# KiCad board keyboard.kicad_pcb (continued)
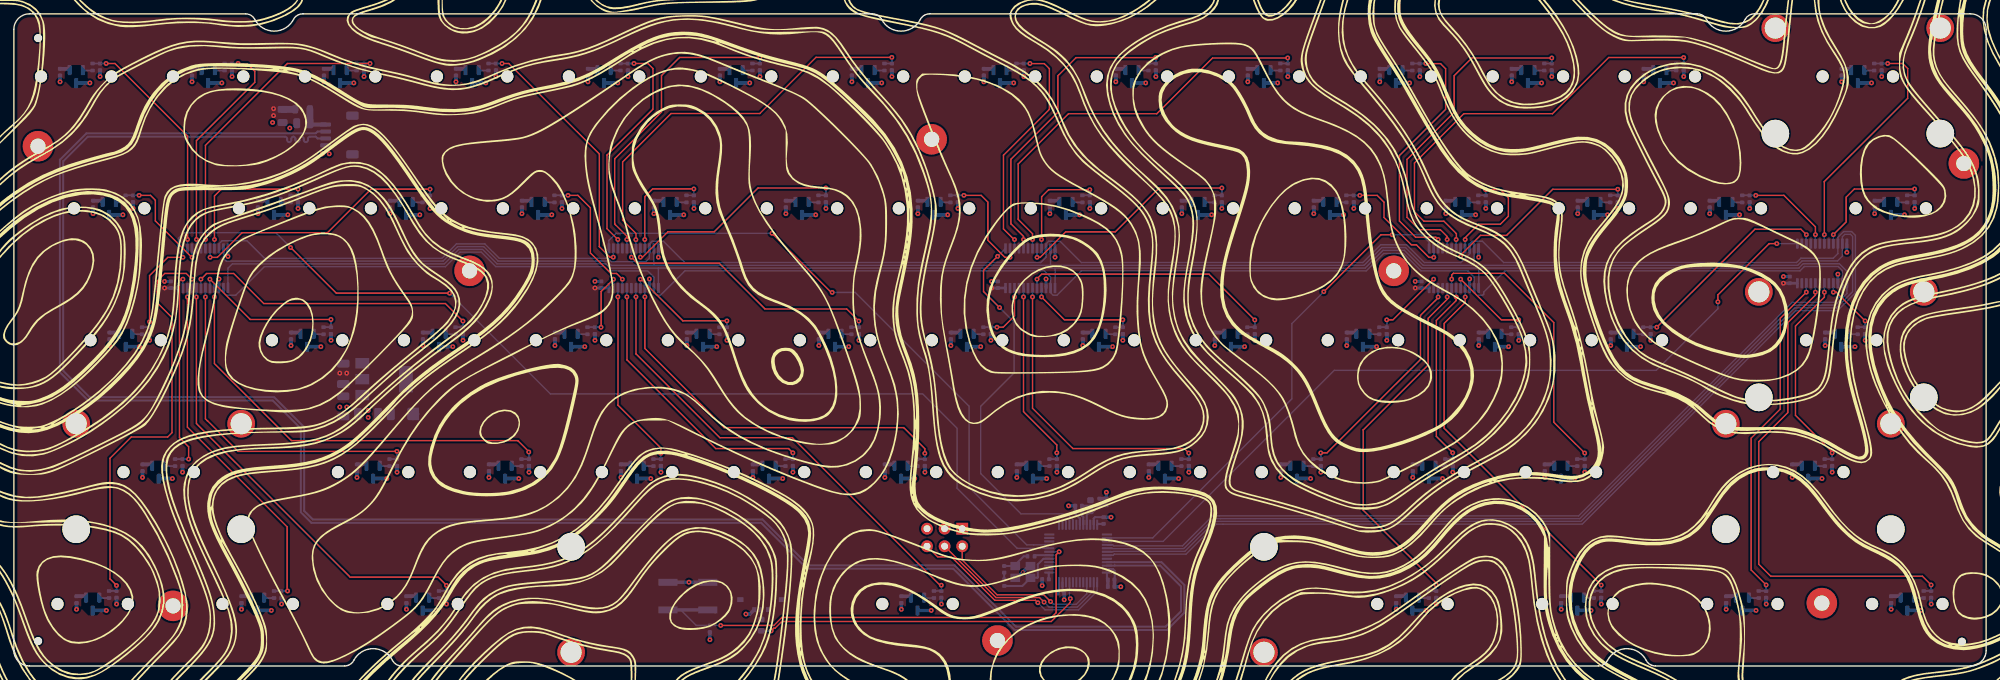
[diagram p0: board, top side]
## Footprints (pads in the part's own frame, mm; a bottom-side part is the same pattern mirrored in y, then rotated)
C_0402_1005Metric
  rrect 0.56x0.62 smd: 1(-0.48,0) 2(0.48,0)
C_0805_2012Metric
  rrect 1x1.45 smd: 1(-0.95,0) 2(0.95,0)
C_1206_3216Metric
  rrect 1.15x1.8 smd: 1(-1.475,0) 2(1.475,0)
Crystal_SMD_3225-4Pin_3.2x2.5mm
  rect 1.4x1.2 smd: 1(-1.1,-0.85) 2(1.1,-0.85) 3(1.1,0.85) 4(-1.1,0.85)
JST_SH_SM04B-SRSS-TB_1x04-1MP_P1.00mm_Horizontal
  rrect 0.6x1.55 smd: 1(-1.5,2) 2(-0.5,2) 3(0.5,2) 4(1.5,2)
  rrect 1.2x1.8 smd: MP(-2.8,-1.875) MP(2.8,-1.875)
L_0603_1608Metric
  rrect 0.875x0.95 smd: 1(-0.787,0) 2(0.787,0)
L_0805_2012Metric
  rrect 0.875x1.2 smd: 1(-1.062,0) 2(1.062,0)
LQFP-48_7x7mm_P0.5mm
  rrect 1.475x0.3 smd: 1(-4.162,2.75) 2(-4.162,2.25) 3(-4.162,1.75) 4(-4.162,1.25) 5(-4.162,0.75) 6(-4.162,0.25) 7(-4.162,-0.25) 8(-4.162,-0.75) 9(-4.162,-1.25) 10(-4.162,-1.75) 11(-4.162,-2.25) 12(-4.162,-2.75) 25(4.162,-2.75) 26(4.162,-2.25) 27(4.162,-1.75) 28(4.162,-1.25) 29(4.162,-0.75) 30(4.162,-0.25) 31(4.162,0.25) 32(4.162,0.75) 33(4.162,1.25) 34(4.162,1.75) 35(4.162,2.25) 36(4.162,2.75)
  rrect 0.3x1.475 smd: 13(-2.75,-4.162) 14(-2.25,-4.162) 15(-1.75,-4.162) 16(-1.25,-4.162) 17(-0.75,-4.162) 18(-0.25,-4.162) 19(0.25,-4.162) 20(0.75,-4.162) 21(1.25,-4.162) 22(1.75,-4.162) 23(2.25,-4.162) 24(2.75,-4.162) 37(2.75,4.162) 38(2.25,4.162) 39(1.75,4.162) 40(1.25,4.162) 41(0.75,4.162) 42(0.25,4.162) 43(-0.25,4.162) 44(-0.75,4.162) 45(-1.25,4.162) 46(-1.75,4.162) 47(-2.25,4.162) 48(-2.75,4.162)
MountingHole_2.2mm_M2_Pad
  round 4.4 hole 2.2: 1(0,0)
NetTie-2_SMD_Pad0.5mm
  round 0.2 smd: 1(-0.5,0) 2(0.5,0)
PinSocket_2x03_P2.54mm_Vertical
  rect 1.7x1.7 hole 1: 1(0,0)
  oval 1.7x1.7 hole 1: 2(-2.54,0) 3(0,-2.54) 4(-2.54,-2.54) 5(0,-5.08) 6(-2.54,-5.08)
R_0402_1005Metric
  rrect 0.54x0.64 smd: 1(-0.51,0) 2(0.51,0)
R_0603_1608Metric
  rrect 0.8x0.95 smd: 1(-0.825,0) 2(0.825,0)
R_1206_3216Metric
  rrect 1.125x1.75 smd: 1(-1.462,0) 2(1.462,0)
SLSS49E-3 with MX holes 3
  round 1.75 hole 1.75 unplated: (-5.08,0) (5.08,0)
  rrect 0.6x1.475 smd: 1(0.95,0.917) 2(-0.95,0.917) 3(0,-0.958)
SOT-223-3_TabPin2
  rect 2x1.5 smd: 1(-3.15,2.3) 2(-3.15,0) 3(-3.15,-2.3)
  rect 2x3.8 smd: 2(3.15,0)
SSAJ120100
  rect 0.6x0.7 smd: 1(-1,1.3) 2(1,1.3) C(0,1.3)
  rect 0.9x0.7 smd: NC(-3,-0.15) NC1(3,-0.15)
STAB_MX_P_2.25u
  round 4 hole 3.048: (-11.906,6.985) (11.906,6.985)
  round 3.988 hole 3.988 unplated: (-11.906,-8.255) (11.906,-8.255)
STAB_MX_P_2.75u
  round 4 hole 3.048: (-11.906,6.985) (11.906,6.985)
  round 3.988 hole 3.988 unplated: (-11.906,-8.255) (11.906,-8.255)
STAB_MX_P_2u
  round 4 hole 3.048: (-11.906,6.985) (11.906,6.985)
  round 3.988 hole 3.988 unplated: (-11.906,-8.255) (11.906,-8.255)
STAB_MX_P_6.25u
  round 4 hole 3.048: (-50.006,6.985) (50.006,6.985)
  round 3.988 hole 3.988 unplated: (-50.006,-8.255) (50.006,-8.255)
SW_SPST_B3SL-1002P
  rect 2.75x1 smd: 1(-2.875,2) 1(2.875,2) 2(-2.875,-2) 2(2.875,-2)
ToolingHole
  round 1.152 hole 1.152 unplated: (0.028,0.59)
TSSOP-24_4.4x7.8mm_P0.65mm
  rrect 1.475x0.4 smd: 1(-2.862,3.575) 2(-2.862,2.925) 3(-2.862,2.275) 4(-2.862,1.625) 5(-2.862,0.975) 6(-2.862,0.325) 7(-2.862,-0.325) 8(-2.862,-0.975) 9(-2.862,-1.625) 10(-2.862,-2.275) 11(-2.862,-2.925) 12(-2.862,-3.575) 13(2.862,-3.575) 14(2.862,-2.925) 15(2.862,-2.275) 16(2.862,-1.625) 17(2.862,-0.975) 18(2.862,-0.325) 19(2.862,0.325) 20(2.862,0.975) 21(2.862,1.625) 22(2.862,2.275) 23(2.862,2.925) 24(2.862,3.575)

## Nets
+3.3VA: C4.1 C5.1 C6.1 C7.1 FB1.1 U1.20 U1.21
+3V3: C1.1 C3.1 C8.1 C9.1 C11.1 C18.1 C24.1 C26.1 C28.1 C30.1 C32.1 C34.1 C36.1 C38.1 C40.1 C42.1 C44.1 C46.1 C48.1 C50.1 C52.1 C54.1 C56.1 C58.1 C60.1 C62.1 C64.1 C66.1 C68.1 C70.1 C72.1 C74.1 C76.1 C78.1 C80.1 C82.1 C84.1 C86.1 C88.1 C90.1 C92.1 C94.1 C96.1 C98.1 C100.1 C102.1 C104.1 C106.1 C108.1 C110.1 C112.1 C114.1 C116.1 C118.1 C120.1 C122.1 C124.1 C126.1 C128.1 C130.1 C132.1 C134.1 C136.1 C138.1 C140.1 C143.1 FB1.2 HALL1.1 HALL2.1 HALL3.1 HALL4.1 HALL5.1 HALL6.1 HALL7.1 HALL8.1 HALL9.1 HALL10.1 HALL11.1 HALL12.1 HALL13.1 HALL14.1 HALL15.1 HALL16.1 HALL17.1 HALL18.1 HALL19.1 HALL20.1 HALL21.1 HALL22.1 HALL23.1 HALL24.1 HALL25.1 HALL26.1 HALL27.1 HALL28.1 HALL29.1 HALL30.1 HALL31.1 HALL32.1 HALL33.1 HALL34.1 HALL35.1 HALL36.1 HALL37.1 HALL38.1 HALL39.1 HALL40.1 HALL41.1 HALL42.1 HALL43.1 HALL44.1 HALL45.1 HALL46.1 HALL47.1 HALL48.1 HALL49.1 HALL50.1 HALL51.1 HALL52.1 HALL53.1 HALL54.1 HALL55.1 HALL56.1 HALL57.1 HALL58.1 HALL59.1 HALL60.1 HALL61.1 NT1.2 SWD1.5 U1.1 U1.24 U1.36 U1.48 U3.2
+5V: C10.1 C12.1 C15.1 C20.1 C21.1 C22.1 C142.1 FB2.2 U2.3 U4.24 U5.24 U6.24 U7.24 U8.24
GND: C1.2 C2.2 C3.2 C4.2 C5.2 C6.2 C7.2 C8.2 C9.2 C10.2 C11.2 C12.2 C17.1 C18.2 C19.2 C20.2 C21.2 C22.2 C23.2 C24.2 C25.2 C26.2 C27.2 C28.2 C29.2 C30.2 C31.2 C32.2 C33.2 C34.2 C35.2 C36.2 C37.2 C38.2 C39.2 C40.2 C41.2 C42.2 C43.2 C44.2 C45.2 C46.2 C47.2 C48.2 C49.2 C50.2 C51.2 C52.2 C53.2 C54.2 C55.2 C56.2 C57.2 C58.2 C59.2 C60.2 C61.2 C62.2 C63.2 C64.2 C65.2 C66.2 C67.2 C68.2 C69.2 C70.2 C71.2 C72.2 C73.2 C74.2 C75.2 C76.2 C77.2 C78.2 C79.2 C80.2 C81.2 C82.2 C83.2 C84.2 C85.2 C86.2 C87.2 C88.2 C89.2 C90.2 C91.2 C92.2 C93.2 C94.2 C95.2 C96.2 C97.2 C98.2 C99.2 C100.2 C101.2 C102.2 C103.2 C104.2 C105.2 C106.2 C107.2 C108.2 C109.2 C110.2 C111.2 C112.2 C113.2 C114.2 C115.2 C116.2 C117.2 C118.2 C119.2 C120.2 C121.2 C122.2 C123.2 C124.2 C125.2 C126.2 C127.2 C128.2 C129.2 C130.2 C131.2 C132.2 C133.2 C134.2 C135.2 C136.2 C137.2 C138.2 C139.2 C140.2 C141.2 C142.2 C143.2 HALL1.3 HALL2.3 HALL3.3 HALL4.3 HALL5.3 HALL6.3 HALL7.3 HALL8.3 HALL9.3 HALL10.3 HALL11.3 HALL12.3 HALL13.3 HALL14.3 HALL15.3 HALL16.3 HALL17.3 HALL18.3 HALL19.3 HALL20.3 HALL21.3 HALL22.3 HALL23.3 HALL24.3 HALL25.3 HALL26.3 HALL27.3 HALL28.3 HALL29.3 HALL30.3 HALL31.3 HALL32.3 HALL33.3 HALL34.3 HALL35.3 HALL36.3 HALL37.3 HALL38.3 HALL39.3 HALL40.3 HALL41.3 HALL42.3 HALL43.3 HALL44.3 HALL45.3 HALL46.3 HALL47.3 HALL48.3 HALL49.3 HALL50.3 HALL51.3 HALL52.3 HALL53.3 HALL54.3 HALL55.3 HALL56.3 HALL57.3 HALL58.3 HALL59.3 HALL60.3 HALL61.3 J1.4 R64.2 R65.2 SW1.2 SWD1.1 SWD1.3 U1.19 U1.23 U1.35 U1.47 U2.1 U3.1 U4.12 U4.15 U5.12 U5.15 U6.12 U6.15 U7.12 U7.15 U8.12 U8.15 Y1.2 Y1.4
VBUS: C23.1 FB2.1 J1.1
/in_esr: C15.2 R64.1
/ldo_output: C16.1 NT1.1 U2.2
/Multiplexers/keys/KEYS_0_0: C2.1 R1.1 U4.3
/Multiplexers/keys/KEYS_0_1: C19.1 R4.1 U4.5
/Multiplexers/keys/KEYS_0_2: C25.1 R5.1 U4.7
/Multiplexers/keys/KEYS_0_3: C27.1 R6.1 U5.2
/Multiplexers/keys/KEYS_0_4: C29.1 R7.1 U5.3
/Multiplexers/keys/KEYS_0_5: C31.1 R8.1 U5.5
/Multiplexers/keys/KEYS_0_6: C33.1 R9.1 U5.7
/Multiplexers/keys/KEYS_0_7: C35.1 R10.1 U6.3
/Multiplexers/keys/KEYS_0_8: C37.1 R11.1 U6.5
/Multiplexers/keys/KEYS_0_9: C39.1 R12.1 U6.7
/Multiplexers/keys/KEYS_0_10: C41.1 R13.1 U7.3
/Multiplexers/keys/KEYS_0_11: C43.1 R14.1 U7.5
/Multiplexers/keys/KEYS_0_12: C45.1 R15.1 U7.7
/Multiplexers/keys/KEYS_0_13: C47.1 R16.1 U8.7
/Multiplexers/keys/KEYS_1_0: C49.1 R17.1 U4.4
/Multiplexers/keys/KEYS_1_1: C51.1 R18.1 U4.9
/Multiplexers/keys/KEYS_1_2: C53.1 R19.1 U4.8
/Multiplexers/keys/KEYS_1_3: C55.1 R20.1 U5.21
/Multiplexers/keys/KEYS_1_4: C57.1 R21.1 U5.9
/Multiplexers/keys/KEYS_1_5: C59.1 R22.1 U5.8
/Multiplexers/keys/KEYS_1_6: C61.1 R23.1 U6.2
/Multiplexers/keys/KEYS_1_7: C63.1 R24.1 U6.9
/Multiplexers/keys/KEYS_1_8: C65.1 R25.1 U6.8
/Multiplexers/keys/KEYS_1_9: C67.1 R26.1 U7.2
/Multiplexers/keys/KEYS_1_10: C69.1 R27.1 U7.9
/Multiplexers/keys/KEYS_1_11: C71.1 R28.1 U7.8
/Multiplexers/keys/KEYS_1_12: C73.1 R29.1 U8.5
/Multiplexers/keys/KEYS_1_13: C75.1 R30.1 U8.9
/Multiplexers/keys/KEYS_2_0: C77.1 R31.1 U4.2
/Multiplexers/keys/KEYS_2_1: C79.1 R32.1 U4.17
/Multiplexers/keys/KEYS_2_2: C81.1 R33.1 U4.19
/Multiplexers/keys/KEYS_2_3: C83.1 R34.1 U5.23
/Multiplexers/keys/KEYS_2_4: C85.1 R35.1 U5.17
/Multiplexers/keys/KEYS_2_5: C87.1 R36.1 U5.6
/Multiplexers/keys/KEYS_2_6: C89.1 R37.1 U6.22
/Multiplexers/keys/KEYS_2_7: C91.1 R38.1 U6.16
/Multiplexers/keys/KEYS_2_8: C93.1 R39.1 U6.17
/Multiplexers/keys/KEYS_2_9: C95.1 R40.1 U7.23
/Multiplexers/keys/KEYS_2_10: C97.1 R41.1 U7.17
/Multiplexers/keys/KEYS_2_11: C99.1 R42.1 U8.3
/Multiplexers/keys/KEYS_2_12: C101.1 R43.1 U8.16
/Multiplexers/keys/KEYS_3_0: C103.1 R44.1 U4.23
/Multiplexers/keys/KEYS_3_1: C105.1 R45.1 U4.18
/Multiplexers/keys/KEYS_3_2: C107.1 R46.1 U4.16
/Multiplexers/keys/KEYS_3_3: C109.1 R47.1 U5.22
/Multiplexers/keys/KEYS_3_4: C111.1 R48.1 U5.20
/Multiplexers/keys/KEYS_3_5: C113.1 R49.1 U5.16
/Multiplexers/keys/KEYS_3_6: C115.1 R50.1 U6.20
/Multiplexers/keys/KEYS_3_7: C117.1 R51.1 U6.18
/Multiplexers/keys/KEYS_3_8: C119.1 R52.1 U7.22
/Multiplexers/keys/KEYS_3_9: C121.1 R53.1 U7.18
/Multiplexers/keys/KEYS_3_10: C123.1 R54.1 U7.19
/Multiplexers/keys/KEYS_3_11: C125.1 R55.1 U8.18
/Multiplexers/keys/KEYS_4_0: C127.1 R56.1 U4.21
/Multiplexers/keys/KEYS_4_1: C129.1 R57.1 U4.22
/Multiplexers/keys/KEYS_4_2: C131.1 R58.1 U4.20
/Multiplexers/keys/KEYS_4_3: C133.1 R59.1 U5.18
/Multiplexers/keys/KEYS_4_4: C135.1 R60.1 U7.20
/Multiplexers/keys/KEYS_4_5: C137.1 R61.1 U7.16
/Multiplexers/keys/KEYS_4_6: C139.1 R62.1 U8.22
/Multiplexers/keys/KEYS_4_7: C141.1 R63.1 U8.20
/out_esr: C16.2 R65.1
/S0: U1.31 U4.10 U5.10 U6.10 U7.10 U8.10
/S1: U1.30 U4.11 U5.11 U6.11 U7.11 U8.11
/S2: U1.28 U4.14 U5.14 U6.14 U7.14 U8.14
/S3: U1.29 U4.13 U5.13 U6.13 U7.13 U8.13
ADC3_IN1: U1.17 U6.1
ADC3_IN5: U1.27 U8.1
ADC4_IN3: U1.26 U7.1
ADC12_IN1: U1.8 U4.1
ADC12_IN2: U1.9 U5.1
BOOT0: R3.2 U1.45
HSE_IN: C13.1 U1.5 Y1.1
HSE_OUT: R2.1 U1.6
NRST: C17.2 SW1.1 U1.7
SWCLK: SWD1.4 U1.38
SWDIO: SWD1.6 U1.37
SWO: SWD1.2 U1.40
USB_D+: J1.3 U1.34
USB_D-: J1.2 U1.33
Net-(C13-Pad2): C13.2 C14.2
Net-(C14-Pad1): C14.1 R2.2 Y1.3
Net-(HALL1-OUT): HALL1.2 R1.2
Net-(HALL2-OUT): HALL2.2 R4.2
Net-(HALL3-OUT): HALL3.2 R5.2
Net-(HALL4-OUT): HALL4.2 R6.2
Net-(HALL5-OUT): HALL5.2 R7.2
Net-(HALL6-OUT): HALL6.2 R8.2
Net-(HALL7-OUT): HALL7.2 R9.2
Net-(HALL8-OUT): HALL8.2 R10.2
Net-(HALL9-OUT): HALL9.2 R11.2
Net-(HALL10-OUT): HALL10.2 R12.2
Net-(HALL11-OUT): HALL11.2 R13.2
Net-(HALL12-OUT): HALL12.2 R14.2
Net-(HALL13-OUT): HALL13.2 R15.2
Net-(HALL14-OUT): HALL14.2 R16.2
Net-(HALL15-OUT): HALL15.2 R17.2
Net-(HALL16-OUT): HALL16.2 R18.2
Net-(HALL17-OUT): HALL17.2 R19.2
Net-(HALL18-OUT): HALL18.2 R20.2
Net-(HALL19-OUT): HALL19.2 R21.2
Net-(HALL20-OUT): HALL20.2 R22.2
Net-(HALL21-OUT): HALL21.2 R23.2
Net-(HALL22-OUT): HALL22.2 R24.2
Net-(HALL23-OUT): HALL23.2 R25.2
Net-(HALL24-OUT): HALL24.2 R26.2
Net-(HALL25-OUT): HALL25.2 R27.2
Net-(HALL26-OUT): HALL26.2 R28.2
Net-(HALL27-OUT): HALL27.2 R29.2
Net-(HALL28-OUT): HALL28.2 R30.2
Net-(HALL29-OUT): HALL29.2 R31.2
Net-(HALL30-OUT): HALL30.2 R32.2
Net-(HALL31-OUT): HALL31.2 R33.2
Net-(HALL32-OUT): HALL32.2 R34.2
Net-(HALL33-OUT): HALL33.2 R35.2
Net-(HALL34-OUT): HALL34.2 R36.2
Net-(HALL35-OUT): HALL35.2 R37.2
Net-(HALL36-OUT): HALL36.2 R38.2
Net-(HALL37-OUT): HALL37.2 R39.2
Net-(HALL38-OUT): HALL38.2 R40.2
Net-(HALL39-OUT): HALL39.2 R41.2
Net-(HALL40-OUT): HALL40.2 R42.2
Net-(HALL41-OUT): HALL41.2 R43.2
Net-(HALL42-OUT): HALL42.2 R44.2
Net-(HALL43-OUT): HALL43.2 R45.2
Net-(HALL44-OUT): HALL44.2 R46.2
Net-(HALL45-OUT): HALL45.2 R47.2
Net-(HALL46-OUT): HALL46.2 R48.2
Net-(HALL47-OUT): HALL47.2 R49.2
Net-(HALL48-OUT): HALL48.2 R50.2
Net-(HALL49-OUT): HALL49.2 R51.2
Net-(HALL50-OUT): HALL50.2 R52.2
Net-(HALL51-OUT): HALL51.2 R53.2
Net-(HALL52-OUT): HALL52.2 R54.2
Net-(HALL53-OUT): HALL53.2 R55.2
Net-(HALL54-OUT): HALL54.2 R56.2
Net-(HALL55-OUT): HALL55.2 R57.2
Net-(HALL56-OUT): HALL56.2 R58.2
Net-(HALL57-OUT): HALL57.2 R59.2
Net-(HALL58-OUT): HALL58.2 R60.2
Net-(HALL59-OUT): HALL59.2 R61.2
Net-(HALL60-OUT): HALL60.2 R62.2
Net-(HALL61-OUT): HALL61.2 R63.2
Net-(R3-Pad1): R3.1 U3.C

Pads without a net: H1 1; H2 1; H3 1; H4 1; H5 1; H6 1; H7 1; H8 1; J1 MP; U1 2 3 4 10 11 12 13 14 15 16 18 22 25 32 39 41 42 43 44 46; U3 NC NC1; U4 6; U5 4 19; U6 4 6 19 21 23; U7 4 6 21; U8 2 4 6 8 17 19 21 23

## Via types
v1: diameter 0.7, hole 0.3, Top to Bottom, 363 vias
v2: diameter 0.5, hole 0.3, Top to Bottom, 1 via

## Routing (per net, layer and track width the routed paths; a pad name or vN(x,y) marks a point on that pad's centre or on a via; arc(x,y) is an arc through that point)
+3.3VA: length 10.2
  Bottom w0.2: 154.19,23.14 C7.1 ; C5.1 156.64,23.14
  Bottom w0.3: U1.21 154.87,21.83 FB1.1 155.86,22.36 C5.1 ; U1.20 154.37,21.52 154.18,21.71 C6.1 ; 154.19,23.14 154.2,23.15 156.63,23.15 156.64,23.14
  Bottom w0.5: C5.1 C4.1 ; C7.1 C6.1
+3V3: length 167
  Bottom w0.2: 103.13,86.26 103.3,86.09 ; 269.82,67.21 269.99,67.04 ; 12.64,67.21 12.81,67.04 ; 34.07,10.06 34.24,9.89 ; 226.95,67.21 227.12,67.04 ; 150.75,67.21 150.92,67.04 ; 84.08,86.26 84.25,86.09 ; 136.47,48.16 136.64,47.99 ; 222.19,29.11 222.36,28.94 ; 7.88,86.26 8.05,86.09 ; 55.5,67.21 55.67,67.04 ; 198.38,86.26 198.55,86.09 ; 131.7,67.21 131.87,67.04 ; 41.22,48.16 41.39,47.99 ; 248.39,10.06 248.56,9.89 ; 212.67,48.16 212.84,47.99 ; 262.67,48.16 262.84,47.99 ; 179.33,86.26 179.5,86.09 ; 207.9,67.21 208.07,67.04 ; 203.14,29.11 203.31,28.94 ; 257.91,29.11 258.08,28.94 ; 10.26,10.06 10.43,9.89 ; 60.27,48.16 60.44,47.99 ; 45.98,86.26 46.15,86.09 ; 93.6,67.21 93.77,67.04 ; 145.99,29.11 146.16,28.94 ; 79.32,48.16 79.49,47.99 ; 26.93,86.26 27.1,86.09 ; 217.43,86.26 217.6,86.09 ; 160.28,86.26 160.45,86.09 ; 36.45,67.21 36.62,67.04 ; 19.79,29.11 19.96,28.94 ; 155.52,48.16 155.69,47.99 ; 98.37,48.16 98.54,47.99 ; 15.02,48.16 15.19,47.99 ; 246,67.21 246.17,67.04 ; 50.74,29.11 50.91,28.94 ; 265.05,86.26 265.22,86.09 ; 169.8,67.21 169.97,67.04 ; 112.65,67.21 112.82,67.04 ; 141.23,86.26 141.4,86.09 ; 69.79,29.11 69.96,28.94 ; 224.57,10.06 224.74,9.89 ; 236.48,86.26 236.65,86.09 ; 193.62,48.16 193.79,47.99 ; 57.89,10.06 58.06,9.89 ; 200.76,10.06 200.93,9.89 ; 188.85,67.21 189.02,67.04 ; 74.55,67.21 74.72,67.04 ; 88.84,29.11 89.01,28.94 ; 122.18,86.26 122.35,86.09 ; 107.89,29.11 108.06,28.94 ; 165.04,29.11 165.21,28.94 ; 117.42,48.16 117.59,47.99 ; 272.2,10.06 272.37,9.89 ; 231.72,48.16 231.89,47.99 ; 174.57,48.16 174.74,47.99 ; 65.03,86.26 65.2,86.09 ; 184.09,29.11 184.26,28.94
  Bottom w0.3: U1.1 149.39,13.43 149.39,12.49 ; C9.1 157.79,12.6 U1.36 ; C11.1 156.49,20.52 U1.24 ; C8.1 150.87,10.7 U1.48
  Bottom w0.5: 92.39,67.21 93.6,67.21 92.39,67.21 ; 163.83,29.11 165.04,29.11 163.83,29.11 ; 201.93,29.11 203.14,29.11 201.93,29.11 ; 206.69,67.21 207.9,67.21 206.69,67.21 ; 87.63,29.11 88.84,29.11 87.63,29.11 ; 168.59,67.21 169.8,67.21 168.59,67.21 ; 125.73,29.11 126.94,29.11 ; 262.67,48.16 261.46,48.16 262.67,48.16 ; 128.11,10.06 129.32,10.06 ; C9.1 C3.1 ; 224.57,10.06 223.36,10.06 224.57,10.06 ; 130.49,67.21 131.7,67.21 130.49,67.21 ; 244.79,67.21 246,67.21 244.79,67.21 ; 270.99,10.06 272.2,10.06 270.99,10.06 ; C112.1 126.92,29.12 HALL47.1 ; 225.74,67.21 226.95,67.21 225.74,67.21 ; 11.43,67.21 12.64,67.21 11.43,67.21 ; 73.34,67.21 74.55,67.21 73.34,67.21 ; 178.12,86.26 179.33,86.26 178.12,86.26 ; 32.86,10.06 34.07,10.06 32.86,10.06 ; 25.72,86.26 26.93,86.26 25.72,86.26 ; 256.7,29.11 257.91,29.11 256.7,29.11 ; 78.1,48.16 79.32,48.16 78.1,48.16 ; 199.55,10.06 200.76,10.06 199.55,10.06 ; 120.97,86.26 122.18,86.26 120.97,86.26 ; 211.45,48.16 212.67,48.16 211.45,48.16 ; 173.35,48.16 174.57,48.16 173.35,48.16 ; 187.64,67.21 188.85,67.21 187.64,67.21 ; 18.57,29.11 19.79,29.11 18.57,29.11 ; 182.88,29.11 184.09,29.11 182.88,29.11 ; 106.68,29.11 107.89,29.11 106.68,29.11 ; 140.02,86.26 141.23,86.26 140.02,86.26 ; 268.6,67.21 269.82,67.21 268.6,67.21 ; 144.78,29.11 145.99,29.11 144.78,29.11 ; 216.22,86.26 217.43,86.26 216.22,86.26 ; 116.2,48.16 117.42,48.16 116.2,48.16 ; 97.15,48.16 98.37,48.16 97.15,48.16 ; 197.17,86.26 198.38,86.26 197.17,86.26 ; 63.82,86.26 65.03,86.26 63.82,86.26 ; 68.58,29.11 69.79,29.11 68.58,29.11 ; 247.17,10.06 248.39,10.06 247.17,10.06 ; 54.29,67.21 55.5,67.21 54.29,67.21 ; 9.05,10.06 10.26,10.06 9.05,10.06 ; 263.84,86.26 265.05,86.26 263.84,86.26 ; 6.67,86.26 7.88,86.26 6.67,86.26 ; 149.54,67.21 150.75,67.21 149.54,67.21 ; 135.25,48.16 136.47,48.16 135.25,48.16 ; 40,48.16 41.22,48.16 40,48.16 ; 101.92,86.26 103.13,86.26 101.92,86.26 ; 82.87,86.26 84.08,86.26 82.87,86.26 ; 56.67,10.06 57.89,10.06 56.67,10.06 ; 35.24,67.21 36.45,67.21 35.24,67.21 ; 230.5,48.16 231.72,48.16 230.5,48.16 ; 235.27,86.26 236.48,86.26 235.27,86.26 ; 159.07,86.26 160.28,86.26 159.07,86.26 ; 49.53,29.11 50.74,29.11 49.53,29.11 ; 192.4,48.16 193.62,48.16 192.4,48.16 ; 59.05,48.16 60.27,48.16 59.05,48.16 ; 13.81,48.16 15.02,48.16 13.81,48.16 ; 111.44,67.21 112.65,67.21 111.44,67.21 ; 154.3,48.16 155.52,48.16 154.3,48.16 ; 44.77,86.26 45.98,86.26 44.77,86.26 ; 220.98,29.11 222.19,29.11 220.98,29.11
+5V: length 11.9
  Bottom w0.2: 23.76,54.59 U4.24 ; U7.24 204.29,54.59 U7.24
  Bottom w0.4: U8.24 257.44,55.28 C21.1 255.45,55.28 v1(255.44,55.29) ; v1(21.75,54.6) 21.76,54.59 C12.1 23.75,54.59 U4.24 ; 204.29,54.59 U7.24 204.29,54.59 C22.1 202.3,54.59 v1(202.29,54.6) ; v1(141.14,54.6) 141.15,54.59 C20.1 143.14,54.59 U6.24 ; v1(83.88,54.6) 83.89,54.59 C10.1 85.88,54.59 U5.24
  Bottom w1: FB2.2 C142.1
  vias: v1(37.49,80.5) v1(37.49,79.5) v1(47.05,42.3) v1(48.05,42.3)
GND: length 532.8
  Bottom w0.2: 159.07,85.08 159.07,84.85 159.06,84.84 ; 223.35,8.64 223.36,8.65 C136.2 ; 111.43,65.79 111.44,65.8 111.44,66.03 ; v1(241.05,85.14) 241.04,85.15 ; 93.04,60.16 U5.12 ; 93.04,60.16 93.04,60.15 ; 93.04,60.16 93.04,60 ; v1(19.59,47.04) 19.58,47.05 ; 59.04,46.74 59.05,46.75 C80.2 ; 264.59,60.69 264.59,60.38 264.59,60.37 ; 264.59,60.69 264.59,60.69 ; 264.59,60.69 264.59,60.85 ; 91.74,54.92 91.74,54.92 91.74,54.75 ; 163.82,27.69 163.83,27.7 163.83,27.93 ; 101.91,84.84 101.92,84.85 101.92,85.08 ; 210.14,54.92 210.14,54.75 ; 210.14,54.92 210.15,54.92 ; 210.14,54.92 210.14,55.24 210.15,55.25 ; 210.14,54.75 210.15,54.75 ; 210.14,54.75 U7.15 ; 197.16,84.84 197.17,84.85 197.17,85.08 ; 130.48,65.79 130.49,65.8 130.49,66.03 ; 149.54,66.03 149.54,65.8 149.53,65.79 ; v1(62.45,8.94) 62.44,8.95 ; 168.58,65.79 168.59,65.8 168.59,66.03 ; 18.56,27.69 18.57,27.7 C102.2 ; C50.2 35.24,65.8 35.23,65.79 ; 87.62,27.69 87.63,27.7 87.63,27.93 ; 225.74,66.03 225.74,65.8 225.73,65.79 ; 148.99,54.92 148.99,55.24 149,55.25 ; 148.99,54.92 148.99,54.75 ; 148.99,54.92 149,54.92 ; v1(179.13,47.04) 179.12,47.05 ; 229.14,8.94 229.13,8.95 ; 220.97,27.69 220.98,27.7 220.98,27.93 ; v1(202.95,85.14) 202.94,85.15 ; v1(174.37,66.09) 174.36,66.1 ; 173.34,46.74 173.35,46.75 173.35,46.98 ; 274.37,66.1 v1(274.38,66.09) ; 97.14,46.74 97.15,46.75 97.15,46.98 ; 116.19,46.74 116.2,46.75 116.2,46.98 ; C130.2 56.67,8.65 56.66,8.64 ; 91.74,54.75 91.74,54.75 ; 91.74,54.75 U5.15 ; v1(141.03,47.04) 141.02,47.05 ; C48.2 11.43,65.8 11.42,65.79 ; C104.2 49.53,27.7 49.52,27.69 ; 268.59,65.79 268.6,65.8 268.6,66.03 ; 201.92,27.69 201.93,27.7 201.93,27.93 ; 270.98,8.64 270.99,8.65 C140.2 ; v1(12.45,85.14) 12.44,85.15 ; 216.21,84.84 216.22,84.85 216.22,85.08 ; 29.61,54.59 U4.15 ; 30.9,60.31 U4.12 ; v1(250.57,66.09) 250.56,66.1 ; C1.2 6.67,84.85 6.66,84.84 ; 235.27,85.08 235.27,84.85 235.26,84.84 ; 78.09,46.74 78.1,46.75 78.1,46.98 ; 149,54.75 148.99,54.75 U6.15 ; v1(88.65,85.14) 88.64,85.15 ; v1(169.61,27.99) 169.6,28 ; 150.29,60 150.29,60.16 ; 150.29,60 150.29,59.68 150.29,59.68 ; 150.29,60 150.29,60 ; 182.88,27.93 182.88,27.7 182.87,27.69 ; v1(93.41,27.99) 93.4,28 ; v1(188.66,27.99) 188.65,28 ; v1(79.12,66.09) 79.11,66.1 ; v1(236.28,47.04) 236.27,47.05 ; v1(150.56,27.99) 150.55,28 ; v1(262.48,27.99) 262.47,28 ; 267.24,47.04 267.23,47.05 ; 63.81,84.84 63.82,84.85 C26.2 ; 93.04,59.68 93.04,59.68 93.04,60 ; 263.84,85.08 263.84,84.85 263.83,84.84 ; 91.74,55.25 91.74,55.24 91.74,54.92 ; 135.25,46.98 135.25,46.75 135.24,46.74 ; 244.78,65.79 244.79,65.8 244.79,66.03 ; v1(117.22,66.09) 117.21,66.1 ; 73.33,65.79 73.34,65.8 C54.2 ; 68.57,27.69 68.58,27.7 C106.2 ; 82.87,85.08 82.87,84.85 82.86,84.84 ; 44.76,84.84 44.77,84.85 C24.2 ; v1(45.79,47.04) 45.77,47.05 ; v1(50.55,85.14) 50.54,85.15 ; v1(212.47,66.09) 212.46,66.1 ; 263.29,55.61 263.29,55.94 263.3,55.94 ; 263.29,55.61 263.3,55.61 ; 263.29,55.61 263.29,55.45 ; 178.12,85.08 178.12,84.85 178.11,84.84 ; 206.68,65.79 206.69,65.8 206.69,66.03 ; C18.2 25.72,84.85 25.71,84.84 ; 187.64,66.03 187.64,65.8 187.63,65.79 ; 54.28,65.79 54.29,65.8 C52.2 ; v1(145.8,85.14) 145.79,85.15 ; 154.3,46.98 154.3,46.75 154.29,46.74 ; C100.2 261.46,46.75 261.45,46.74 ; v1(24.35,27.99) 24.34,28 ; 125.73,27.93 125.73,27.7 125.72,27.69 ; 140.01,84.84 140.02,84.85 140.02,85.08 ; U7.12 211.44,60.15 211.44,60 211.44,59.68 211.44,59.68 ; 256.69,27.69 256.7,27.7 256.7,27.93 ; v1(31.5,85.14) 31.49,85.15 ; v1(269.62,85.14) 269.61,85.15 ; v1(121.98,47.04) 121.97,47.05 ; v1(183.9,85.14) 183.89,85.15 ; v1(102.93,47.04) 102.92,47.05 ; v1(74.36,27.99) 74.35,28 ; v1(155.32,66.09) 155.31,66.1 ; v1(205.33,8.94) 205.32,8.95 ; v1(60.07,66.09) 60.06,66.1 ; v1(83.88,47.04) 83.87,47.05 ; C76.2 13.81,46.75 13.8,46.74 ; v1(17.21,66.09) 17.2,66.1 ; v1(38.64,8.94) 38.63,8.95 ; v1(276.77,8.94) 276.75,8.95 ; 192.4,46.98 192.4,46.75 192.39,46.74 ; 211.45,46.98 211.45,46.75 211.44,46.74 ; 93.04,60 93.04,60 ; 106.68,27.93 106.68,27.7 106.67,27.69 ; 92.38,65.79 92.39,65.8 92.39,66.03 ; v1(69.6,85.14) 69.59,85.15 ; v1(164.85,85.14) 164.84,85.15 ; 263.3,55.45 263.29,55.45 U8.15 ; C128.2 32.86,8.65 32.85,8.64 ; v1(193.42,66.09) 193.41,66.1 ; v1(226.76,27.99) 226.75,28 ; 120.96,84.84 120.97,84.85 120.97,85.08 ; v1(112.46,27.99) 112.45,28 ; v1(136.27,66.09) 136.26,66.1 ; v1(126.75,85.14) 126.74,85.15 ; v1(222,85.14) 221.99,85.15 ; v1(131.51,27.99) 131.5,28 ; v1(231.52,66.09) 231.51,66.1 ; v1(252.95,8.94) 252.94,8.95 ; v1(41.02,66.09) 41.01,66.1 ; 252.94,9.41 C139.2 ; 150.29,60.15 U6.12 ; C78.2 40,46.75 39.99,46.74 ; v1(98.17,66.09) 98.16,66.1 ; v1(160.08,47.04) 160.07,47.05 ; 144.77,27.69 144.78,27.7 144.78,27.93 ; 199.54,8.64 199.55,8.65 199.55,8.88 ; v1(55.31,27.99) 55.3,28 ; 247.16,8.64 247.17,8.65 247.17,8.88 ; v1(207.71,27.99) 207.7,28 ; 205.32,9.41 C135.2 ; v1(64.84,47.04) 64.82,47.05 ; v1(217.23,47.04) 217.22,47.05 ; 230.5,46.98 230.5,46.75 230.49,46.74 ; v1(198.18,47.04) 198.17,47.05 ; v1(107.7,85.14) 107.69,85.15 ; 9.04,8.64 9.05,8.65 C126.2 ; v1(14.83,8.94) 14.82,8.95 ; 264.59,60.85 U8.12
  Bottom w0.284: C11.2 157.3,21.48
  Bottom w0.3: C8.2 151.37,10.72 U1.47 ; 157.3,21.48 157.29,21.49 156.08,21.49 155.87,21.28 U1.23 ; U1.19 153.87,21.31 153.22,21.96 C6.2 ; U1.35 158.66,13.99 158.9,13.75 158.9,12.5 C9.2
  Bottom w0.4: 263.3,55.28 v1(263.3,56.59) ; v1(150.29,59.05) U6.12 ; v1(264.59,59.74) 264.59,61.01 ; U7.12 v1(211.44,59.05) ; 93.04,60.31 v1(93.04,59.05) ; v1(210.15,55.9) 210.15,54.59 ; v1(91.74,55.9) 91.74,54.59 ; v1(141.14,55.55) C20.2 ; v1(83.88,55.55) C10.2 ; v1(30.9,59.15) 30.9,60.31 ; v1(255.44,56.24) C21.2 ; v1(21.75,55.55) C12.2 ; 149,54.59 v1(149,55.9) ; v1(202.29,55.55) C22.2 ; v1(29.61,55.9) 29.61,54.59
  Bottom w0.5: Y1.4 146.51,14.43 v2(145.65,13.57) 144.81,12.73 Y1.2 ; C101.2 267.23,47.05 ; 244.78,65.32 244.78,66.25 ; 194.74,46.12 v1(196.71,46.12) 194.74,46.12 ; v1(135.25,46.28) C88.2 ; C9.2 C3.2 v1(159.78,11.44) ; 49.52,27.22 49.52,28.15 ; 197.16,85.3 197.16,84.37 ; 198.17,47.96 198.17,47.05 ; 123.3,84.22 v1(125.27,84.22) 123.3,84.22 ; 206.68,65.32 206.68,66.25 ; 135.24,47.2 135.24,46.27 ; 173.34,47.2 173.34,46.27 ; 158.61,46.12 156.64,46.12 ; 230.49,46.27 230.49,47.2 ; 140.01,84.37 140.01,85.3 ; 263.8,46.12 v1(265.77,46.12) 263.8,46.12 ; v1(187.64,65.33) C66.2 ; 161.4,84.22 v1(163.37,84.22) 161.4,84.22 ; 120.96,84.37 120.96,85.3 ; v1(40,46.28) C78.2 ; 87.62,28.15 87.62,27.22 ; v1(157.71,25.09) C4.2 C5.2 ; 35.23,65.32 35.23,66.25 ; C17.1 v1(100.47,3.79) ; 202.94,86.06 202.94,85.15 ; 133.88,9.86 133.88,8.95 ; 268.15,84.22 266.18,84.22 v1(268.15,84.22) ; 270.98,9.1 270.98,8.17 ; 59.04,47.2 59.04,46.27 ; v1(153.85,65.17) 151.88,65.17 153.85,65.17 ; v1(197.17,84.38) C40.2 ; 216.21,84.37 216.21,85.3 ; v1(268.6,65.33) C74.2 ; 187.63,65.32 187.63,66.25 ; 192.39,47.2 192.39,46.27 ; 97.14,46.27 97.14,47.2 ; 263.83,84.37 263.83,85.3 ; 11.42,65.32 11.42,66.25 ; 237.6,84.22 v1(239.57,84.22) 237.6,84.22 ; v1(44.77,84.38) C24.2 ; v1(192.4,46.28) C94.2 ; C87.2 121.97,47.05 ; v1(230.05,65.17) 228.08,65.17 230.05,65.17 ; v1(148.43,11.6) C143.2 ; v1(201.93,27.23) C120.2 ; 82.41,46.12 80.44,46.12 ; 236.27,47.96 236.27,47.05 ; C37.2 164.84,85.15 ; v1(63.82,84.38) C26.2 ; 39.99,46.27 39.99,47.2 ; v1(270.99,8.18) C140.2 ; 73.33,65.32 73.33,66.25 ; v1(82.41,46.12) 80.44,46.12 ; v1(25.72,84.38) C18.2 ; SW1.2 97.46,12.09 v1(97.45,12.1) 97.44,12.09 SW1.2 ; 247.16,9.1 247.16,8.17 ; v1(82.87,84.38) C28.2 ; 56.66,9.1 56.66,8.17 ; v1(152.25,23.13) C7.2 C6.2 ; 25.71,84.37 25.71,85.3 ; 125.72,28.15 125.72,27.22 ; v1(263.84,84.38) C46.2 ; U3.1 106.24,7.49 v1(105.67,7.49) ; 120.51,46.12 118.54,46.12 ; v1(116.2,46.28) C86.2 ; v1(182.88,27.23) C118.2 ; 111.43,66.25 111.43,65.32 ; 77.65,65.17 75.68,65.17 v1(77.65,65.17) ; v1(115.75,65.17) 113.78,65.17 115.75,65.17 ; 274.37,67.01 274.37,66.1 ; 6.66,84.37 6.66,85.3 ; C83.2 83.87,47.05 ; v1(73.34,65.33) C54.2 ; 38.63,9.86 38.63,8.95 ; v1(32.86,8.18) C128.2 ; 130.48,65.32 130.48,66.25 ; 78.09,46.27 78.09,47.2 ; C95.2 198.17,47.05 ; v1(272.91,65.17) 270.94,65.17 ; v1(6.67,84.38) C1.2 ; 159.06,85.3 159.06,84.37 ; v1(101.92,84.38) C30.2 ; 121.97,47.96 121.97,47.05 ; 63.81,85.3 63.81,84.37 ; 275.29,8.02 273.32,8.02 v1(275.29,8.02) ; v1(11.43,65.33) C48.2 ; 256.69,28.15 256.69,27.22 ; 126.74,86.06 126.74,85.15 ; 106.67,28.15 106.67,27.22 ; v1(173.35,46.28) C92.2 ; 241.04,86.06 241.04,85.15 ; v1(78.1,46.28) C82.2 ; v1(151.61,9.55) C8.2 ; 225.73,65.32 225.73,66.25 ; v1(206.69,65.33) C68.2 ; v1(235.27,84.38) C44.2 ; C75.2 274.37,66.1 ; v1(144.78,27.23) C114.2 ; 225.7,8.02 v1(227.67,8.02) 225.7,8.02 ; v1(220.98,27.23) C122.2 ; 223.35,8.17 223.35,9.1 ; 199.5,84.22 v1(201.47,84.22) 199.5,84.22 ; v1(9.05,8.18) C126.2 ; 101.91,84.37 101.91,85.3 ; 92.38,66.25 92.38,65.32 ; v1(54.29,65.33) C52.2 ; 54.28,66.25 54.28,65.32 ; 220.97,28.15 220.97,27.22 ; v1(128.11,8.18) C132.2 ; 199.54,8.17 199.54,9.1 ; v1(256.7,27.23) C124.2 ; 32.85,8.17 32.85,9.1 ; 211.44,46.27 211.44,47.2 ; v1(216.22,84.38) C42.2 ; v1(13.81,46.28) C76.2 ; 235.26,84.37 235.26,85.3 ; 82.86,84.37 82.86,85.3 ; 267.23,47.96 267.23,47.05 ; v1(223.36,8.18) C136.2 ; C91.2 160.07,47.05 ; 178.11,85.3 178.11,84.37 ; 229.13,9.86 229.13,8.95 ; 88.64,86.06 88.64,85.15 ; v1(261.46,46.28) C100.2 ; v1(199.55,8.18) C134.2 ; 201.92,28.15 201.92,27.22 ; 116.19,46.27 116.19,47.2 ; v1(211.45,46.28) C96.2 ; v1(120.51,46.12) 118.54,46.12 ; 44.76,85.3 44.76,84.37 ; v1(56.67,8.18) C130.2 ; C45.2 241.04,85.15 ; 18.56,27.22 18.56,28.15 ; v1(168.59,65.33) C64.2 ; 163.82,27.22 163.82,28.15 ; 154.29,47.2 154.29,46.27 ; C99.2 236.27,47.05 ; 83.87,47.96 83.87,47.05 ; 9.04,8.17 9.04,9.1 ; v1(35.24,65.33) C50.2 ; v1(87.63,27.23) C108.2 ; v1(234.81,46.12) 232.84,46.12 ; 160.07,47.96 160.07,47.05 ; 13.8,46.27 13.8,47.2 ; 144.77,27.22 144.77,28.15 ; 85.2,84.22 v1(87.17,84.22) 85.2,84.22 ; 68.57,28.15 68.57,27.22 ; v1(125.73,27.23) C112.2 ; 203.86,8.02 201.88,8.02 v1(203.86,8.02) ; 268.59,65.32 268.59,66.25 ; 168.58,65.32 168.58,66.25 ; v1(178.12,84.38) C38.2 ; v1(230.5,46.28) C98.2 ; v1(92.39,65.33) C56.2 ; C41.2 202.94,85.15 ; v1(130.49,65.33) C60.2 ; 234.81,46.12 232.84,46.12 ; v1(159.07,84.38) C36.2 ; v1(97.15,46.28) C84.2 ; C33.2 126.74,85.15 ; v1(163.83,27.23) C116.2 ; 261.45,47.2 261.45,46.27 ; 164.84,86.06 164.84,85.15 ; 182.87,27.22 182.87,28.15 ; v1(158.61,46.12) 156.64,46.12 ; C29.2 88.64,85.15 ; 272.91,65.17 270.94,65.17 ; v1(59.05,46.28) C80.2 ; v1(111.44,65.33) C58.2 ; v1(120.97,84.38) C32.2 ; v1(132.42,8.02) 130.45,8.02 ; v1(140.02,84.38) C34.2 ; C129.2 38.63,8.95 ; v1(244.79,65.33) C72.2 ; v1(18.57,27.23) C102.2 ; 149.53,65.32 149.53,66.25 ; v1(49.53,27.23) C104.2 ; v1(225.74,65.33) C70.2 ; v1(68.58,27.23) C106.2 ; 191.95,65.17 189.98,65.17 v1(191.95,65.17) ; v1(106.68,27.23) C110.2 ; C137.2 229.13,8.95 ; v1(247.17,8.18) C138.2 ; v1(154.3,46.28) C90.2 ; v1(149.54,65.33) C62.2 ; v1(158.38,21.48) 157.3,21.48 ; C81.2 64.82,47.05 C81.2 ; v1(72.89,27.07) 70.92,27.07 v1(72.89,27.07) ; v1(220.52,84.22) 218.55,84.22 v1(220.52,84.22) ; v1(130.04,27.07) 128.07,27.07 v1(130.04,27.07) ; v1(211,65.17) 209.03,65.17 v1(211,65.17) ; v1(39.55,65.17) 37.58,65.17 v1(39.55,65.17) ; v1(251.48,8.02) 249.51,8.02 v1(251.48,8.02) ; v1(106.22,84.22) 104.25,84.22 v1(106.22,84.22) ; C123.2 226.75,28 C123.2 ; C139.2 252.94,8.95 252.94,9.4 C139.2 ; v1(215.76,46.12) 213.79,46.12 v1(215.76,46.12) ; v1(139.56,46.12) 137.59,46.12 v1(139.56,46.12) ; v1(177.66,46.12) 175.69,46.12 v1(177.66,46.12) ; C31.2 107.69,85.15 C31.2 ; v1(206.24,27.07) 204.27,27.07 v1(206.24,27.07) ; v1(30.02,84.22) 28.05,84.22 v1(30.02,84.22) ; v1(58.6,65.17) 56.63,65.17 v1(58.6,65.17) ; v1(10.97,84.22) 9,84.22 v1(10.97,84.22) ; C35.2 145.79,85.15 C35.2 ; C131.2 62.44,8.95 C131.2 ; C61.2 136.26,66.1 C61.2 ; v1(144.32,84.22) 142.35,84.22 v1(144.32,84.22) ; v1(96.7,65.17) 94.73,65.17 v1(96.7,65.17) ; 205.32,9.4 205.32,8.95 C135.2 205.32,9.41 ; C59.2 117.21,66.1 C59.2 ; C47.2 269.61,85.15 C47.2 ; v1(225.29,27.07) 223.32,27.07 v1(225.29,27.07) ; C97.2 217.22,47.05 C97.2 ; C19.2 31.49,85.15 C19.2 ; C65.2 174.36,66.1 C65.2 ; C53.2 60.06,66.1 C53.2 ; C51.2 41.01,66.1 C51.2 ; C73.2 250.56,66.1 C73.2 ; C109.2 93.4,28 C109.2 ; C49.2 17.2,66.1 C49.2 ; v1(13.36,8.02) 11.39,8.02 v1(13.36,8.02) ; C63.2 155.31,66.1 C63.2 ; C127.2 14.82,8.95 C127.2 ; C115.2 150.55,28 C115.2 ; v1(53.84,27.07) 51.87,27.07 v1(53.84,27.07) ; C79.2 45.77,47.05 C79.2 ; C121.2 207.7,28 C121.2 ; v1(261.01,27.07) 259.04,27.07 v1(261.01,27.07) ; v1(91.94,27.07) 89.97,27.07 v1(91.94,27.07) ; C141.2 276.75,8.95 C141.2 ; C89.2 141.02,47.05 C89.2 ; C107.2 74.35,28 C107.2 ; C125.2 262.47,28 C125.2 ; v1(182.42,84.22) 180.45,84.22 v1(182.42,84.22) ; C69.2 212.46,66.1 C69.2 ; C55.2 79.11,66.1 C55.2 ; v1(172.9,65.17) 170.93,65.17 v1(172.9,65.17) ; v1(249.1,65.17) 247.13,65.17 v1(249.1,65.17) ; C117.2 169.6,28 C117.2 ; v1(49.07,84.22) 47.1,84.22 v1(49.07,84.22) ; v1(187.19,27.07) 185.22,27.07 v1(187.19,27.07) ; C103.2 24.34,28 C103.2 ; v1(68.12,84.22) 66.15,84.22 v1(68.12,84.22) ; C57.2 98.16,66.1 C57.2 ; 19.58,47.96 19.58,47.05 19.58,47.96 ; v1(18.12,46.12) 16.15,46.12 v1(18.12,46.12) ; v1(134.8,65.17) 132.83,65.17 v1(134.8,65.17) ; v1(149.09,27.07) 147.12,27.07 v1(149.09,27.07) ; C67.2 193.41,66.1 C67.2 ; C111.2 112.45,28 C111.2 ; C93.2 179.12,47.05 C93.2 ; v1(22.88,27.07) 20.91,27.07 v1(22.88,27.07) ; C105.2 55.3,28 C105.2 ; C2.2 12.44,85.15 C2.2 ; v1(44.31,46.12) 42.34,46.12 v1(44.31,46.12) ; v1(101.46,46.12) 99.49,46.12 v1(101.46,46.12) ; C27.2 69.59,85.15 C27.2 ; C39.2 183.89,85.15 C39.2 ; C113.2 131.5,28 C113.2 ; v1(168.14,27.07) 166.17,27.07 v1(168.14,27.07) ; C71.2 231.51,66.1 C71.2 ; v1(63.36,46.12) 61.39,46.12 v1(63.36,46.12) ; v1(110.99,27.07) 109.02,27.07 v1(110.99,27.07) ; C43.2 221.99,85.15 C43.2 ; v1(15.74,65.17) 13.77,65.17 v1(15.74,65.17) ; C85.2 102.92,47.05 C85.2 ; C119.2 188.65,28 C119.2 ; v1(60.98,8.02) 59.01,8.02 v1(60.98,8.02) ; C25.2 50.54,85.15 C25.2 ; v1(37.17,8.02) 35.2,8.02 v1(37.17,8.02)
  vias: v1(37.35,78.5) v1(39.83,77.7) v1(44.52,73.98) v1(45.52,73.98) v1(47.05,37.4) v1(48.05,37.4) v1(51.15,36.9) v1(51.15,35.9) v1(133.89,8.94) v1(229.14,8.94) v1(267.24,47.04)
